# Altium PCB PCB1.PcbDoc (part 1 of 3) (continued)
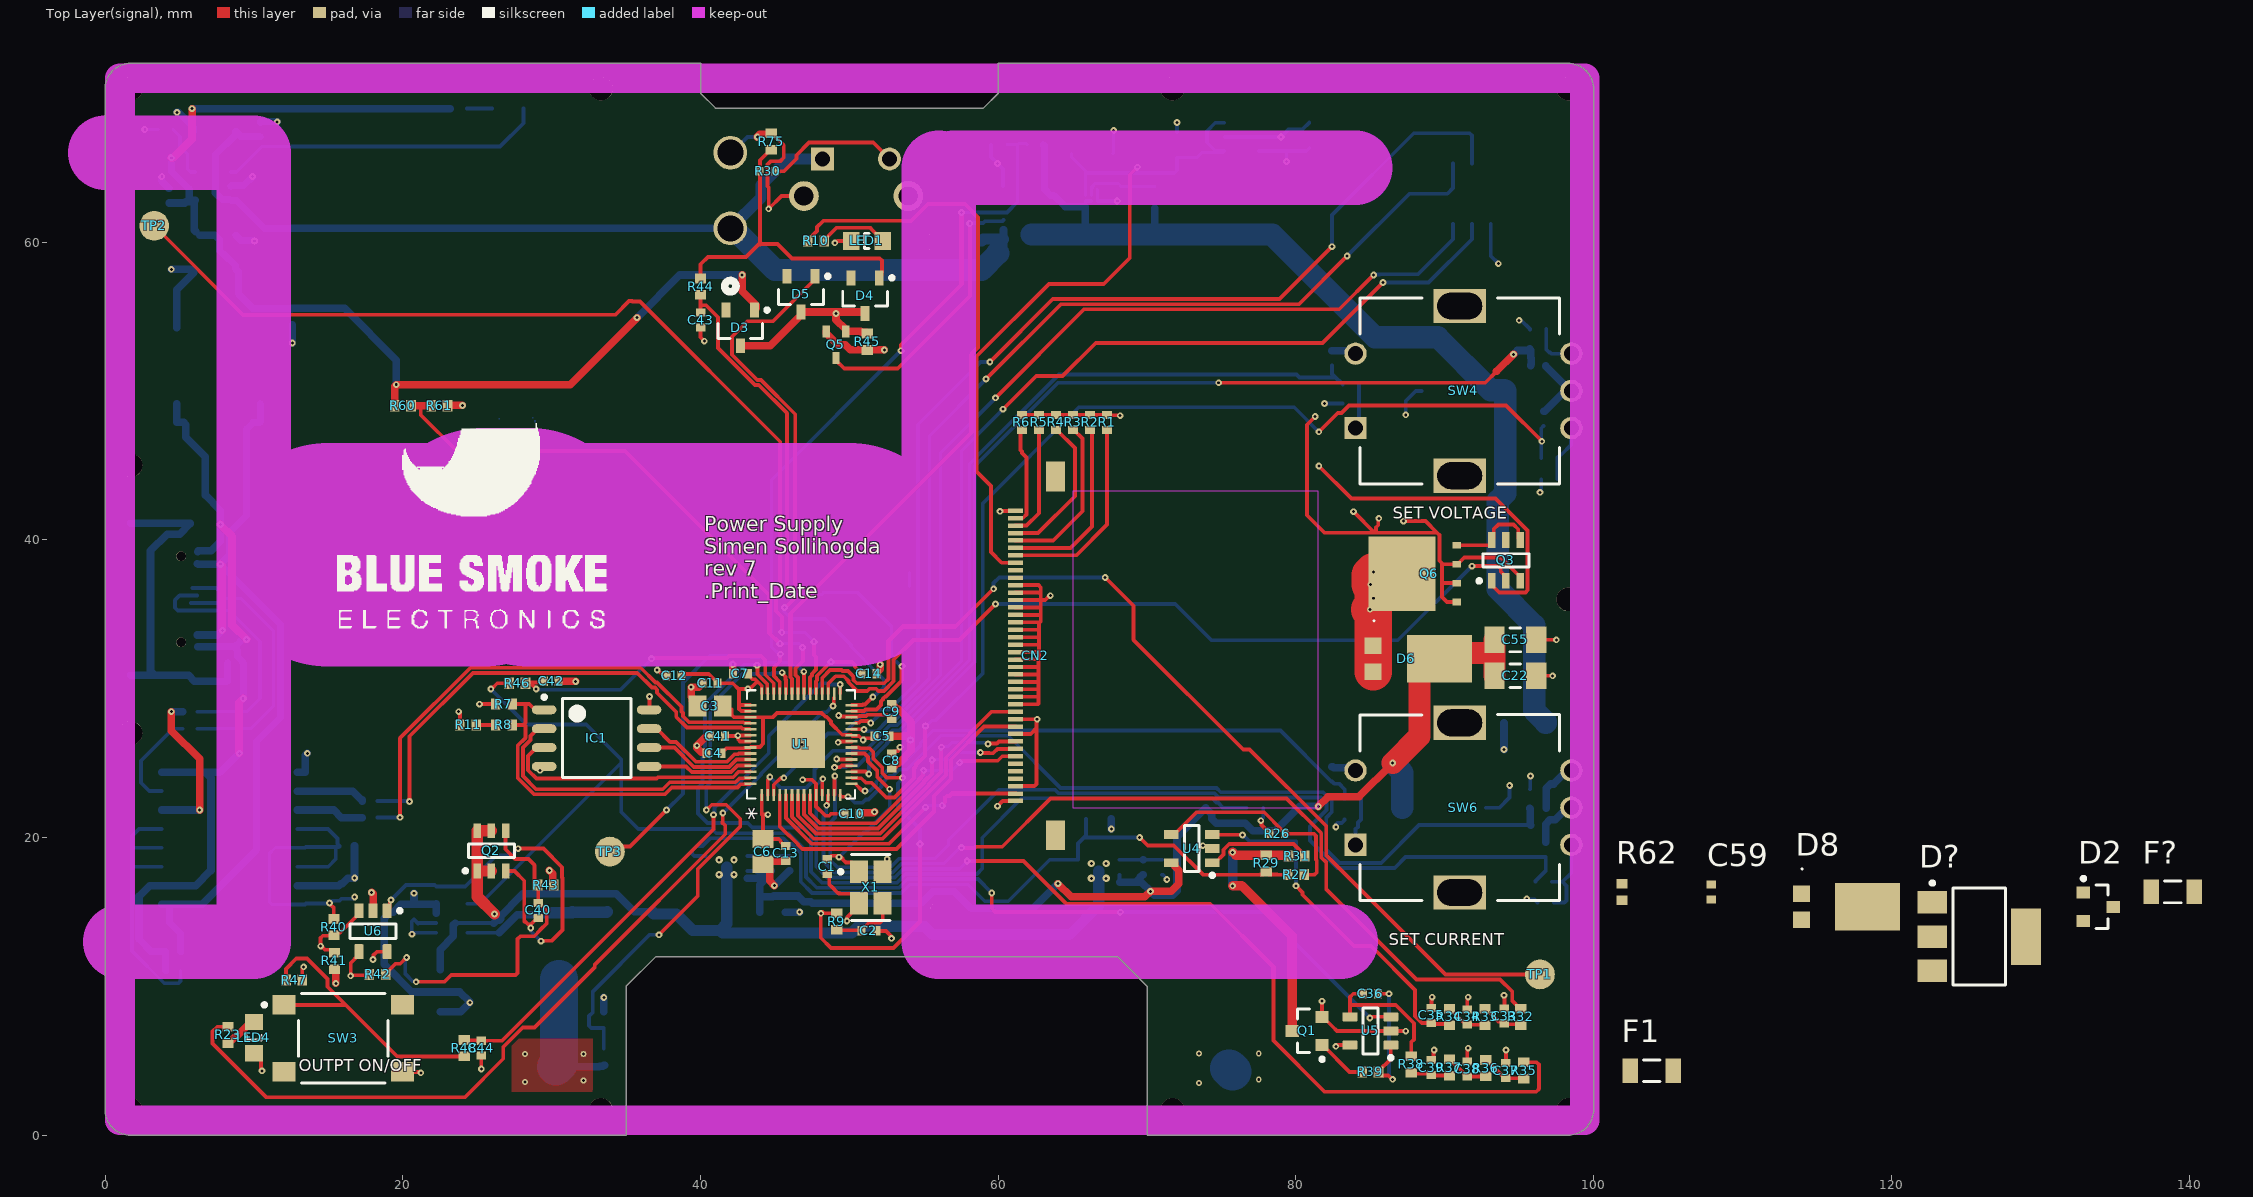
[diagram p0: Top Layer(signal) view]
## Components (designator, comment, footprint, x,y, rotation, side; value= is the part's Value field where it differs from the comment)
C1 "04025A270KAT2A" cap0402 48.514,18.034 r90 top
C2 "04025A270KAT2A" cap0402 51.308,13.716 r180 top
C3 "CL21B105KBFNNNG" CAP0805 40.64,28.829 r0 top
C4 "GRM155R71H104ME14D" cap0402 40.894,25.654 r0 top value=100nF
C5 "GRM155R71H104ME14D" cap0402 52.197,26.797 r180 top value=100nF
C6 "CL21B105KBFNNNG" CAP0805 44.196,19.05 r90 top
C7 "GRM155R71H104ME14D" cap0402 42.672,30.988 r0 top value=100nF
C8 "GRM155R71H104ME14D" cap0402 52.832,25.146 r90 top value=100nF
C9 "GRM155R71H104ME14D" cap0402 52.832,28.448 r270 top value=100nF
C10 "GRM155R71H104ME14D" cap0402 50.165,21.59 r180 top value=100nF
C11 "GRM155R71H104ME14D" cap0402 40.64,30.353 r0 top value=100nF
C12 "GRM155R71H104ME14D" cap0402 38.227,30.861 r0 top value=100nF
C13 "GRM155R71H104ME14D" cap0402 45.72,18.923 r90 top value=100nF
C14 "GRM155R71H104ME14D" cap0402 51.308,30.988 r180 top value=100nF
C15 "CL21B105KBFNNNG" CAP0805 72.009,66.548 r270 bottom
C16 "CL21B105KBFNNNG" CAP0805 80.899,67.183 r270 bottom
C17 "GRM155R71H104ME14D" cap0402 96.774,19.177 r270 bottom value=100nF
C18 "GRM155R71H104ME14D" cap0402 96.266,20.828 r180 bottom value=100nF
C19 "865080545012" CAPAE7966X77N 91.25,50 r180 bottom
C20 "865080545012" CAPAE7966X77N 89.95,22 r0 bottom
C21 "CL31A106MBHNNNE" Chip2PinSM127P600-8N#1 95.377,27.686 r0 bottom
C22 "CL31A106MBHNNNE" Chip2PinSM127P600-8N#1 94.742,30.861 r180 top
C23 "GRM155R71H104ME14D" cap0402 8.75,31.75 r180 bottom value=100nF
C24 "GRM155R71H104ME14D" cap0402 4.572,12.319 r0 bottom value=100nF
C25 "GRM155R71H104ME14D" cap0402 4.572,11.049 r180 bottom value=100nF
C26 "GRM155R71H104ME14D" cap0402 16.256,19.431 r0 bottom value=100nF
C27 "GRM155R71H104ME14D" cap0402 15.875,16.383 r90 bottom value=100nF
C28 "GRM155R71H104ME14D" cap0402 96.647,48.133 r270 bottom value=100nF
C29 "GRM155R71H104ME14D" cap0402 96.266,51.689 r180 bottom value=100nF
C30 "CL21B105KBFNNNG" CAP0805 44.831,14.986 r180 bottom
C31 "CL31A106MBHNNNE" Chip2PinSM127P600-8N#1 22.5,9.7 r90 bottom
C32 "CL21B105KBFNNNG" CAP0805 66.75,21.25 r180 bottom
C33 "GRM155R71H104ME14D" cap0402 94,8 r270 top value=100nF
C34 "GRM155R71H104ME14D" cap0402 91.504,7.941 r270 top value=100nF
C35 "GRM155R71H104ME14D" cap0402 89.104,8.041 r270 top value=100nF
C36 "GRM155R71H104ME14D" cap0402 85,9.5 r180 top value=100nF
C37 "GRM155R71H104ME14D" cap0402 94.104,4.341 r270 top value=100nF
C38 "GRM155R71H104ME14D" cap0402 91.504,4.441 r270 top value=100nF
C39 "GRM155R71H104ME14D" cap0402 89.104,4.541 r270 top value=100nF
C40 "GRM155R71H104ME14D" cap0402 29.1,15.1 r270 top value=100nF
C41 "GRM155R71H104ME14D" cap0402 41.148,26.797 r0 top value=100nF
C42 "GRM155R71H104ME14D" cap0402 29.972,30.48 r180 top value=100nF
C43 "GRM155R71H104ME14D" cap0402 40,54.75 r90 top value=100nF
C44 "GRM155R71H104ME14D" cap0402 25.273,5.842 r90 top value=100nF
C45 "GRM155R71H104ME14D" cap0402 82.423,24.257 r270 bottom value=100nF
C46 "GRM155R71H104ME14D" cap0402 82.423,52.197 r270 bottom value=100nF
C47 "CL31A106MBHNNNE" Chip2PinSM127P600-8N#1 66.311,65.931 r180 bottom
C48 "GRM155R71H104ME14D" cap0402 20.75,15 r270 bottom value=100nF
C49 "CL31A106MBHNNNE" Chip2PinSM127P600-8N#1 7.366,60.452 r180 bottom
C50 "GRM155R71H104ME14D" cap0402 4.318,63.119 r270 bottom value=100nF
C51 "CL31A106MBHNNNE" Chip2PinSM127P600-8N#1 8.128,45.339 r0 bottom
C52 "CL31A106MBHNNNE" Chip2PinSM127P600-8N#1 7.366,58.166 r0 bottom
C53 "CL31A106MBHNNNE" Chip2PinSM127P600-8N#1 7.366,67.437 r0 bottom
C54 "GRM155R71H104ME14D" cap0402 10.414,67.564 r270 bottom value=100nF
C55 "CL31A106MBHNNNE" Chip2PinSM127P600-8N#1 94.742,33.274 r180 top
C56 "CL31A106MBHNNNE" Chip2PinSM127P600-8N#1 61.722,63.754 r0 bottom
C57 "GRM155R71H104ME14D" cap0402 46,18.25 r90 bottom value=100nF
C58 "GRM155R71H104ME14D" cap0402 71,18 r90 bottom value=100nF
C59 "GRM155R71H104ME14D" cap0402 107.901,16.338 r90 top value=100nF
CN2 "505110-4091" 505110-4091-Footprint-1 62.5,32.2 r90 top locked
D1 "MBR12100LPS-TP" DFN445P552X120-3N 30.5,12 r270 bottom
D2 "BZX84C18LT3G" ONSC-SOT-23-3-318-08_V 133.901,15.338 r0 top
D3 "BAS70_R1_00001" SOT95P245X110-3N 42.672,54.229 r270 top
D4 "BAS70_R1_00001" SOT95P245X110-3N 51.054,56.388 r270 top
D5 "BAS70_R1_00001" SOT95P245X110-3N 46.75,56.5 r270 top
D6 "MBR12100LPS-TP" DFN445P552X120-3N 88.138,32.004 r0 top
D8 "MBR12100LPS-TP" DFN445P552X120-3N 116.901,15.338 r0 top
D? "NYC228STT1G" ONSC-SOT-223-4-318E-04_V 125.901,13.338 r0 top
F1 "0685H9100-01" RESC3216X06N 103.901,4.338 r0 top
F? "0685H9100-01" RESC3216X06N 138.902,16.338 r0 top
IC1 "W25Q128JVSIM" SOIC127P780X195-8N 33.02,26.67 r0 top
IC2 "FAN48610UC50X" BGA9C40P3X3_211X211X58 66.25,63.15 r270 bottom
J1 "USB4110-GF-A" FP-USB4110-GF-A-MFG 2.5,36 r90 bottom locked
J2 "1744048-2" "New footprint 1"#1 42,63.46 r90 bottom locked
J3 "pad_3mmx5mm" pad_3mmx5mm-Footprint-1#1 30,4.5 r90 bottom
J4 "pad_3mmx5mm" pad_3mmx5mm-Footprint-1#2 75.5,5.1 r90 bottom
J5 "3221-10-0300-00" "New footprint 1"#2 90.551,63.502 r180 bottom
L1 "LQM21PNR47MC0D" FP-LQM21PN_C0-IPC_C 70.5,63 r270 bottom
L2 "7443551730" INDP130128X65N 89.25,36 r180 bottom locked
LED1 "150080BS75000" 0805_A 51.181,60.071 r0 top
LED4 "150080BS75000" 0805_A 10,6.55 r90 top locked
LED5 "150080BS75000" 0805_A 27.051,68.961 r180 bottom
Q1 "MMBT3904-TP" ONSC-SOT-23-3-318-08_V 80.75,7 r180 top
Q2 "PMN55ENEX" TSOP95P280X110-6N_PMN55ENE 25.95,19.1 r90 top
Q3 "ZXGD3009E6TA" SOT95P285X110-6N 94.107,38.608 r90 top
Q4 "RQ3C150BCTB" RQ3C150BCTB-Footprint-1 62,60.5 r90 bottom
Q5 "SSM3K7002CFU,LF" SSM3K7002CFU,LF-Footprint-1 49.1,53.1 r180 top
Q6 "TPH3R704PC,LQ" TPH3R704PC,LQ-Footprint-1 89.372,37.719 r90 top
R1 "RC0402FR-07100RL" RESC0402(1005)_N 67.31,47.879 r90 top
R2 "RC0402FR-07100RL" RESC0402(1005)_N 66.167,47.879 r90 top
R3 "RC0402FR-07100RL" RESC0402(1005)_N 65.024,47.879 r90 top
R4 "RC0402FR-07100RL" RESC0402(1005)_N 63.881,47.879 r90 top
R5 "RC0402FR-07100RL" RESC0402(1005)_N 62.738,47.879 r90 top
R6 "RC0402FR-07100RL" RESC0402(1005)_N 61.595,47.879 r90 top
R7 "RC0402FR-0710KL" SMD_0402(1005)_M 26.797,28.956 r180 top value=10k
R8 "RC0402FR-071KL" SMD_0402(1005)_M 26.797,27.559 r180 top value=1k
R9 "RC0402FR-071KL" SMD_0402(1005)_M 49.149,14.351 r270 top value=1k
R10 "RC0402FR-071KL" SMD_0402(1005)_M 47.752,60.071 r180 top value=1k
R11 "RC0402FR-070RL" SMD_0402(1005)_M 24.384,27.559 r0 top value=0
R12 "RC0402FR-07100KL" SMD_0402(1005)_M 8.75,30.5 r180 bottom value=100k
R13 "RC0402FR-0724RL" RESC0402(1005)_N 5.715,27.305 r180 bottom
R14 "RC0402FR-0724RL" RESC0402(1005)_N 17.786,22.448 r0 bottom
R15 "RC0402FR-0724RL" RESC0402(1005)_N 5.715,28.448 r180 bottom
R16 "RC0402FR-0724RL" RESC0402(1005)_N 17.78,21.336 r0 bottom
R17 "RC0402FR-0710KL" SMD_0402(1005)_M 96.774,15.621 r180 bottom value=10k
R18 "RC0402FR-071KL" SMD_0402(1005)_M 96.647,17.018 r0 bottom value=1k
R19 "RC0402FR-0710KL" SMD_0402(1005)_M 97.028,44.069 r180 bottom value=10k
R20 "RC0402FR-071KL" SMD_0402(1005)_M 97.028,45.466 r0 bottom value=1k
R21 "RC0402FR-0710KL" SMD_0402(1005)_M 96.266,54.102 r180 bottom value=10k
R22 "RC0402FR-071KL" SMD_0402(1005)_M 96.266,52.832 r0 bottom value=1k
R23 "RC0402FR-071KL" SMD_0402(1005)_M 8.255,6.731 r90 top value=1k
R24 "RC0402FR-0710KL" SMD_0402(1005)_M 33.5,5.25 r270 bottom value=10k
R25 "RC0402FR-071KL" SMD_0402(1005)_M 33.5,7.75 r270 bottom value=1k
R26 "RC0402FR-072K7L" RESC1005X40X25NL05T10 78.75,20.25 r0 top value=2.2k
R27 "RC0402FR-0710KL" SMD_0402(1005)_M 80,17.5 r180 top value=10k
R28 "RC0402FR-072K7L" RESC1005X40X25NL05T10 4.064,67.564 r0 bottom value=2.2k
R29 "RC0402FR-071KL" SMD_0402(1005)_M 78,18.25 r270 top value=1k
R30 "RC0402FR-072K7L" RESC1005X40X25NL05T10 44.5,64.75 r180 top value=2.2k
R31 "RC0402FR-071KL" SMD_0402(1005)_M 80.05,18.75 r0 top value=1k
R32 "RC0402FR-07820KL" SMD_0402(1005)_M 95.104,7.941 r270 top value=10k
R33 "RC0402FR-07820KL" SMD_0402(1005)_M 92.704,7.941 r270 top value=10k
R34 "RC0402FR-07820KL" SMD_0402(1005)_M 90.304,7.941 r270 top value=10k
R35 "RC0402FR-07820KL" SMD_0402(1005)_M 95.304,4.341 r270 top value=10k
R36 "RC0402FR-07820KL" SMD_0402(1005)_M 92.75,4.5 r270 top value=10k
R37 "RC0402FR-07820KL" SMD_0402(1005)_M 90.304,4.541 r270 top value=10k
R38 "RC0402FR-0710KL" SMD_0402(1005)_M 87.75,4.75 r90 top value=10k
R39 "RC0402FR-071KL" SMD_0402(1005)_M 85,4.25 r0 top value=1k
R40 "RC0402FR-07100KL" SMD_0402(1005)_M 15.367,13.97 r90 top value=100k
R41 "RC0402FR-071KL" SMD_0402(1005)_M 15.4,11.7 r90 top value=1k
R42 "RC0402FR-071KL" SMD_0402(1005)_M 18.3,10.8 r180 top value=1k
R43 "RC0402FR-0710RL" SMD_0402(1005)_M 29.6,16.8 r180 top value=10
R44 "RC0402FR-07100KL" SMD_0402(1005)_M 40,57 r90 top value=100k
R45 "RC0402FR-07100KL" SMD_0402(1005)_M 51.2,53.3 r270 top value=100k
R46 "RC0402FR-0710KL" SMD_0402(1005)_M 27.686,30.353 r180 top value=10k
R47 "RC0402FR-0710KL" SMD_0402(1005)_M 12.7,10.414 r0 top value=10k
R48 "RC0402FR-0710KL" SMD_0402(1005)_M 24.13,5.842 r90 top value=10k
R49 "RC0402FR-0710KL" SMD_0402(1005)_M 83.82,21.209 r180 bottom value=10k
R50 "RC0402FR-0710KL" SMD_0402(1005)_M 83.82,22.606 r180 bottom value=10k
R51 "RC0402FR-0710KL" SMD_0402(1005)_M 83.693,49.149 r180 bottom value=10k
R52 "RC0402FR-0710KL" SMD_0402(1005)_M 83.693,50.419 r180 bottom value=10k
R53 "RC0402FR-0724RL" RESC0402(1005)_N 44.75,18.25 r90 bottom
R54 "ERJ-8BSFR10V" Chip2PinSM127P600-8N#2 35.25,15 r180 bottom value=0.1
R55 "RC0402FR-07249RL" SMD_0402(1005)_M 12.573,54.991 r90 bottom
R56 "RC0402FR-071KL" SMD_0402(1005)_M 23.749,68.961 r180 bottom value=1k
R57 "RC0402FR-0724RL" RESC0402(1005)_N 69.75,18 r90 bottom
R58 "RC0402FR-0710KL" SMD_0402(1005)_M 96.266,23.241 r180 bottom value=10k
R59 "RC0402FR-071KL" SMD_0402(1005)_M 96.266,21.971 r0 bottom value=1k
R60 "RC0402FR-0710KL" SMD_0402(1005)_M 20,49 r180 top value=10k
R61 "RC0402FR-0710KL" SMD_0402(1005)_M 22.45,49 r180 top value=10k
R62 "RC0402FR-071KL" SMD_0402(1005)_M 101.901,16.338 r90 top value=1k
R63 "RC0402FR-0710KL" SMD_0402(1005)_M 62.484,66.548 r0 bottom value=10k
R64 "RC0402FR-07100KL" SMD_0402(1005)_M 74.5,22 r180 bottom value=100k
R65 "RC0402FR-0710KL" SMD_0402(1005)_M 77.25,22 r180 bottom value=10k
R70 "RC0402FR-0710KL" SMD_0402(1005)_M 60.071,66.548 r0 bottom value=10k
R72 "RC0402FR-0710KL" SMD_0402(1005)_M 59,60.75 r90 bottom value=10k
R75 "RC0402FR-0710KL" SMD_0402(1005)_M 44.75,66.75 r270 top value=10k
SW3 "PTS645SM43SMTR92LFS" CKCP-PTS645S_V 16,6.5 r0 top locked
SW4 "PEC11R-4215F-S0024" BOUR-PEC11R-4XXXF-SXXXX_V 91,50 r90 top locked
SW5 "1825027-8" FP-1825027-8-MFG 50.45,66.5 r0 bottom locked
SW6 "PEC11R-4215F-S0024" BOUR-PEC11R-4XXXF-SXXXX_V 91,22 r90 top locked
TP1 "testpoit" testpoit-Footprint-1 96.393,10.795 r0 top
TP2 "testpoit" testpoit-Footprint-1 3.302,61.087 r0 top
TP3 "testpoit" testpoit-Footprint-1 33.909,19.05 r0 top
U1 "rp2040" rp2040-Footprint-1 46.75,26.25 r90 top
U2 "ADUM4160BRIZ-RL" ADI-RI-16-1_N 8.36,19.939 r0 bottom
U3 "LT3080EDD-1#TRPBF" LT-DD-8_V 66.75,17.75 r0 bottom
U4 "TSB711AIYLT" DBV0005A_N 73,19.25 r180 top
U5 "TSB711AIYLT" DBV0005A_N 85,7 r180 top
U6 "TSB711AIYLT" DBV0005A_N 18,13.7 r270 top
U7 "LT3080EDD-1#TRPBF" LT-DD-8_V 41.75,18 r0 bottom
U9 "INA186A1IDDFR" FP-DDF0008A-IPC_C 23.301,14.575 r0 bottom
U10 "B0505MT-1WR4" FP-B0505MT-1WR4-MFG 7.62,51.689 r90 bottom
U11 "MCP73832T-2ACI/OT" SOT-23-OT5_M 7.239,63.754 r180 bottom
U12 "TLV74333PDBVR" FP-DBV0005A-IPC_A 76.327,67.056 r0 bottom
X1 "FL1200112" FP-FL1200112-MFG 51.435,16.637 r270 top

## Footprints (in the part's own frame and the unit in brackets; to place one, negate y for a bottom-side part, rotate by r counter-clockwise, add the part's x,y. Pads: shape width x height; smd on the part's side, far side on the other; paste and mask are expansions set on the pad)
0805_A [mm] "Chip LED, 2-Leads, Body 2.0x1.3mm, IPC Medium Density"
  rect 1.1x1.2 smd: 1(-1.05,0) 2(1.05,0)
  silkscreen extent -0.15,-0.5 0.15,0.5, body extent -1,-0.63 1,0.63, height 0.68
505110-4091-Footprint-1 [mm]
  rect 0.3x1 smd: 1(-9.75,1.35) 2(-9.25,1.35) 3(-8.75,1.35) 4(-8.25,1.35) 5(-7.75,1.35) 6(-7.25,1.35) 7(-6.75,1.35) 8(-6.25,1.35) 9(-5.75,1.35) 10(-5.25,1.35) 11(-4.75,1.35) 12(-4.25,1.35) 13(-3.75,1.35) 14(-3.25,1.35) 15(-2.75,1.35) 16(-2.25,1.35) 17(-1.75,1.35) 18(-1.25,1.35) 19(-0.75,1.35) 20(-0.25,1.35) 21(0.25,1.35) 22(0.75,1.35) 23(1.25,1.35) 24(1.75,1.35) 25(2.25,1.35) 26(2.75,1.35) 27(3.25,1.35) 28(3.75,1.35) 29(4.25,1.35) 30(4.75,1.35) 31(5.25,1.35) 32(5.75,1.35) 33(6.25,1.35) 34(6.75,1.35) 35(7.25,1.35) 36(7.75,1.35) 37(8.25,1.35) 38(8.75,1.35) 39(9.25,1.35) 40(9.75,1.35)
  rect 2x1.3 smd: 41(-12.05,-1.35) 42(12.05,-1.35)
  body extent -12.72,-3.7 12.78,1.6, height 1.88
ADI-RI-16-1_N [mm] "SOIC, 16-Leads, Body 12.8x7.5mm, Pitch 1.27mm, IPC Medium Density"
  oval 2.3x0.6 smd: 1(-4.55,4.445) 2(-4.55,3.175) 3(-4.55,1.905) 4(-4.55,0.635) 5(-4.55,-0.635) 6(-4.55,-1.905) 7(-4.55,-3.175) 8(-4.55,-4.445) 9(4.55,-4.445) 10(4.55,-3.175) 11(4.55,-1.905) 12(4.55,-0.635) 13(4.55,0.635) 14(4.55,1.905) 15(4.55,3.175) 16(4.55,4.445)
  silkscreen extent -4.67,-6.5 3,6.5, body extent -3.8,-6.5 3.8,6.5, height 2.65
BGA9C40P3X3_211X211X58 [mm] "BGA, 9-Leads, Body 2.11x2.11mmx0.58mm, Pitch 0.40mm"
  round 0.21 smd: A1(-0.4,0.4) A2(0,0.4) A3(0.4,0.4) B1(-0.4,0) B2(0,0) B3(0.4,0) C1(-0.4,-0.4) C2(0,-0.4) C3(0.4,-0.4)
  silkscreen extent -1.45,-1.05 1.05,1.19, body extent -1.05,-1.06 1.06,1.05, height 0.59
BOUR-PEC11R-4XXXF-SXXXX_V [mm] "THD, 5-Leads, Body 12.5x13.4mm"
  rect 1.5x1.5 hole 1: 1(-2.5,7)
  round 1.5 hole 1: 2(2.5,7) 3(2.5,-7.5) 4(0,-7.5) 5(-2.5,-7.5)
  rect 2.3x3.5 hole 1.8 slot 3 at 90 deg: 6(-5.7,0) 7(5.7,0)
  silkscreen extent -6.25,-6.7 6.25,6.7, body extent -7,-7.7 7,7.2, height 21.61
cap0402 [mm] "0402 footprint for capasitors"
  rect 0.54x0.64 smd: 1(-0.5,0) 2(0.5,0)
  body extent -0.5,-0.25 0.5,0.25, height 0.5
CAP0805 [mm] "0804 smd capasitor"
  rect 1.2x1.4 smd: 1(-0.85,0) 2(0.85,0)
  body extent -1.05,-0.63 1.05,0.63, height 1.35
CAPAE7966X77N [mm] "Aluminum Electrolytic Capacitor, Body 6.60x6.60x7.70mm, IPC Medium Density"
  rect 3.45x1.6 smd: 1(-2.8,0) 2(2.8,0)
  silkscreen extent -3.3,-3.3 3.3,3.3, body extent -3.3,-3.3 3.3,3.3, height 7.7
Chip2PinSM127P600-8N#1 [mm] "1206 ceramic capasitor"
  rect 1.35x1.8 smd: 1(-1.4,0) 2(1.4,0)
  silkscreen extent -0.35,-0.8 0.35,0.8, body extent -1.7,-0.87 1.7,0.87, height 1.6
Chip2PinSM127P600-8N#2 [mm]
  rect 0.9x1.65 smd: 1(-1.525,0) 2(1.525,0)
  silkscreen extent -0.7,-0.73 0.7,0.72, body extent -1.6,-0.8 1.6,0.8, height 0.5
CKCP-PTS645S_V [mm] "THD, 4-Leads, Body 6x6mm, Pitch 4.5mm"
  rect 1.55x1.3 smd: 1(-3.975,2.25) 2(3.975,2.25) 3(-3.975,-2.25) 4(3.975,-2.25)
  silkscreen extent -5.42,-3 3,3, body extent -4.5,-3 4.5,3, height 4.3
DBV0005A_N [mm] "SOT23, 5-Leads, Body 3.05x1.75mm, Pitch 0.95mm, IPC Medium Density"
  rrect17% 1x0.6 smd: 1(-1.375,0.95) 2(-1.375,0) 3(-1.375,-0.95) 4(1.375,-0.95) 5(1.375,0.95)
  silkscreen extent -1.5,-1.55 0.5,1.92, body extent -1.42,-1.46 1.42,1.46, height 1.08
DFN445P552X120-3N [mm] "DFN, 3-Leads, Body 4.03x5.53mm, Pitch 4.45mm, IPC Medium Density"
  rect 4.35x3.2 smd: 1(1.5,0)
  rect 1.15x1.1 smd: 2(-2.95,-0.875) 2(-2.95,0.875)
  silkscreen extent -2.95,2.5 -2.85,2.6, body extent -3.35,-2.25 3.3,2.5, height 1.2
FP-1825027-8-MFG [mm]
  rect 1.54x1.54 hole 0.99 paste-1000 mask+0: 1(-2.25,0.92)
  round 1.54 hole 0.99 paste-1000 mask+0: 2(2.25,0.92)
  round 2 hole 1.3 paste-1000 mask+0: 3(-3.505,3.41) 4(3.505,3.41)
  silkscreen extent -5.03,-1.38 3.7,5.23, body extent -4.21,-4.92 4.2,4.92, height 7.31
FP-B0505MT-1WR4-MFG [mm]
  rect 0.8x1.7 smd paste+0 mask+0: 1(-3.81,-2.8) 2(-2.54,-2.8) 6(2.54,-2.8) 7(3.81,-2.8) 8(3.81,2.8) 13(-2.54,2.8) 14(-3.81,2.8)
  silkscreen extent -4.65,-4.32 4.65,3.65, body extent -4.65,-3.65 4.65,3.65, height 3.4
FP-DBV0005A-IPC_A [mm]
  rect 1.805x0.612 smd paste+0 mask+0: 1(-1.15,0.95)
  rrect100% 1.805x0.612 smd paste+0 mask+0: 2(-1.15,0) 3(-1.15,-0.95) 4(1.15,-0.95) 5(1.15,0.95)
  silkscreen extent -3.03,-1.7 1.4,1.7, body extent -1.4,-1.45 1.4,1.45, height 1.45
FP-DDF0008A-IPC_C [mm]
  rect 1.157x0.375 smd paste+0 mask+0: 1(-1.051,0.975)
  rrect100% 1.157x0.375 smd paste+0 mask+0: 2(-1.051,0.325) 3(-1.051,-0.325) 4(-1.051,-0.975) 5(1.051,-0.975) 6(1.051,-0.325) 7(1.051,0.325) 8(1.051,0.975)
  silkscreen extent -2.33,-1.45 0.03,1.45, body extent -1.41,-1.45 1.41,1.45, height 1.1
FP-FL1200112-MFG [mm]
  rect 1.5x1.2 smd paste+0 mask+0: 1(-1.05,-0.8) 2(1.05,-0.8) 3(1.05,0.8) 4(-1.05,0.8)
  silkscreen extent -2.22,-2.15 2.22,1.3, body extent -1.9,-1.5 1.9,1.5, height 0.25
FP-LQM21PN_C0-IPC_C [mm]
  rect 1.055x1.356 smd paste+0 mask+0: 1(-0.726,0) 2(0.726,0)
  silkscreen extent -1.25,-1.12 1.25,1.12, body extent -1,-0.63 1,0.63, height 0.55
FP-USB4110-GF-A-MFG [mm]
  rect 2.18x2 smd paste+0 mask+0: 1(-5.11,3.105) 2(5.11,3.105) 3(-5.11,-0.825) 4(5.11,-0.825)
  round 0.65 hole 0.65 unplated paste-1000 mask+0: 5(-2.89,2.605) 6(2.89,2.605)
  rrect50% 0.6x1.1 smd paste+0 mask+0: A1-B12(-3.2,3.73) B1-A12(3.2,3.73)
  rrect50% 0.6x1.15 smd paste+0 mask+0: A4-B9(-2.4,3.7) B4-A9(2.4,3.7)
  rect 0.3x1.15 smd paste+0 mask+0: A5(-1.25,3.68) A6(-0.25,3.68) A7(0.25,3.68) A8(1.25,3.68) B5(1.75,3.68) B6(0.75,3.68) B7(-0.75,3.68) B8(-1.75,3.68)
  silkscreen extent -4.57,-3.83 4.57,4.99, body extent -5.65,-3.67 5.65,4.01, height 3.21
INDP130128X65N [mm] "Precision Wire Wound Inductor, 2-Leads, Body 13.00x12.75mm, IPC Medium Density"
  rect 4.5x5 smd: 1(-5.25,0) 2(5.25,0)
  silkscreen extent -7,-6.6 7,6.6, body extent -6.6,-6.38 6.6,6.38, height 6.6
LT-DD-8_V [mm] "SON, 8-Leads, Body 3x3mm, Pitch 0.5mm, Thermal Pad 1.65x2.38 mm, IPC Low Density"
  rect 0.7x0.25 smd mask+0.102: 1(-1.4,0.75) 2(-1.4,0.25) 3(-1.4,-0.25) 4(-1.4,-0.75) 5(1.4,-0.75) 6(1.4,-0.25) 7(1.4,0.25) 8(1.4,0.75)
  rect 1.65x2.38 smd mask+0.102: 9(0,0)
  silkscreen extent -2,-1.55 1.55,1.6, body extent -1.5,-1.5 1.5,1.5, height 0.8
"New footprint 1"#1 [mil]
  round 89 hole 69 mask+0: 1(-100,0) 2(100,0)
  silkscreen extent -268,-501 183,15, body extent -178,-1130 178,26, height 421
"New footprint 1"#2 [mil]
  rect 29.13x110.04 smd paste+0 mask+0: 1(-100,-90.06) 2(-100,69.98) 3(-50,-90.06) 4(-50,69.98) 5(0,-90.06) 6(0,69.98) 7(50,-90.06) 8(50,69.98) 9(100,-90.06) 10(100,69.98)
  silkscreen extent -253,-176 253,113, body extent -250,-130 250,110, height 220
ONSC-SOT-23-3-318-08_V [mm] "SOT23, 3-Leads, Body 2.92x1.3mm, Pitch 0.95mm"
  rect 0.9x0.8 smd: 1(-1,0.95) 2(-1,-0.95) 3(1,0)
  silkscreen extent -1.12,-1.46 0.65,2.02, body extent -0.65,-1.46 0.65,1.46, height 1.11
ONSC-SOT-223-4-318E-04_V [mm] "SOT223, 4-Leads, Body 6.5x3.5mm, Pitch 2.3mm"
  rect 2x1.5 smd: 1(-3.15,2.3) 2(-3.15,0) 3(-3.15,-2.3)
  rect 2x3.8 smd: 4(3.15,0)
  silkscreen extent -3.27,-3.25 1.75,3.72, body extent -1.75,-3.25 1.75,3.25, height 1.75
pad_3mmx5mm-Footprint-1#1 [mm]
  rect 3x5 smd: 1(0.1,0)
pad_3mmx5mm-Footprint-1#2 [mm]
  rect 3x5 smd: 1(-0.6,0)
RESC0402(1005)_N [mm] "Chip Resistor, Body 1.0x0.5mm, IPC Medium Density"
  rect 0.55x0.65 smd: 1(-0.5,0) 2(0.5,0)
  body extent -0.52,-0.27 0.53,0.28, height 0.4
RESC1005X40X25NL05T10 [mm] "Chip Resistor, 2-Leads, Body 1.00x0.50mm, IPC Medium Density"
  rect 0.5x0.55 smd: 1(-0.508,0) 2(0.508,0)
  body extent -0.53,-0.27 0.53,0.28, height 0.4
RESC3216X06N [mm] "Chip Resistor, 2-Leads, Body 3.20x1.58mm, IPC Medium Density"
  rect 1.05x1.65 smd: 1(-1.45,0) 2(1.45,0)
  silkscreen extent -0.55,-0.72 0.55,0.72, body extent -1.6,-0.79 1.6,0.79, height 0.64
rp2040-Footprint-1 [mil]
  rect 32x7 smd paste+0 mask+0: 1(-134,104) 2(-134,88) 3(-134,72) 4(-134,56) 5(-134,40) 6(-134,24) 7(-134,8) 8(-134,-8) 9(-134,-24) 10(-134,-40) 11(-134,-56) 12(-134,-72) 13(-134,-88) 14(-134,-104) 29(134,-104) 30(134,-88) 31(134,-72) 32(134,-56) 33(134,-40) 34(134,-24) 35(134,-8) 36(134,8) 37(134,24) 38(134,40) 39(134,56) 40(134,72) 41(134,88) 42(134,104)
  rect 7x32 smd paste+0 mask+0: 15(-104,-134) 16(-88,-134) 17(-72,-134) 18(-56,-134) 19(-40,-134) 20(-24,-134) 21(-8,-134) 22(8,-134) 23(24,-134) 24(40,-134) 25(56,-134) 26(72,-134) 27(88,-134) 28(104,-134) 43(104,134) 44(88,134) 45(72,134) 46(56,134) 47(40,134) 48(24,134) 49(8,134) 50(-8,134) 51(-24,134) 52(-40,134) 53(-56,134) 54(-72,134) 55(-88,134) 56(-104,134)
  rect 126x126 smd paste-62.5 mask+0: 57(0,0)
  silkscreen extent -143,-143 143,143, body extent -138,-136 138,139, height 35
RQ3C150BCTB-Footprint-1 [mm]
  rect 0.47x0.5 smd: 1(0.975,-1.648) 3(-0.975,-1.648) 3(-0.325,-1.648) 3(0.325,-1.648)
  rect 2.7x2.4 smd: 4(0,0.25)
  body extent -1.65,-1.95 1.65,1.45, height 0.89
SMD_0402(1005)_M [mm] "Chip Resistor, Body 1.0x0.5mm, IPC Low Density"
  rect 0.65x0.75 smd: 1(-0.55,0) 2(0.55,0)
  body extent -0.52,-0.28 0.53,0.28, height 0.4
SOIC127P780X195-8N [mm] "SOIC, 8-Leads, Body 5.26x5.28mm, Pitch 1.27mm, IPC Medium Density"
  oval 1.65x0.6 smd: 1(-3.525,1.905) 2(-3.525,0.635) 3(-3.525,-0.635) 4(-3.525,-1.905) 5(3.525,-1.905) 6(3.525,-0.635) 7(3.525,0.635) 8(3.525,1.905)
  silkscreen extent -3.65,-2.65 2.3,2.88, body extent -2.65,-2.65 2.65,2.65, height 1.95
SOT95P245X110-3N [mm] "SOT23, 3-Leads, Body 2.90x2.45mm, Pitch 0.95mm, IPC Medium Density"
  rect 1x0.6 smd: 1(-1.2,0.95) 2(1.2,0) 3(-1.2,-0.95)
  silkscreen extent -1.32,-1.5 0.7,1.93, body extent -0.7,-1.5 0.7,1.5, height 1.1
SOT95P285X110-6N [mm] "SOT23, 6-Leads, Body 3.00x2.85mm, Pitch 0.95mm, IPC Medium Density"
  rect 1.05x0.5 smd: 1(-1.375,0.95) 2(-1.375,0) 3(-1.375,-0.95) 4(1.375,-0.95) 5(1.375,0) 6(1.375,0.95)
  silkscreen extent -1.5,-1.55 0.45,1.92, body extent -0.85,-1.55 0.85,1.55, height 1.1
SOT-23-OT5_M [mm] "SOT23, 5-Leads, Body 2.9x1.7mm, Pitch 0.95mm, Lead Span 2.8mm, IPC Low Density"
  rect 1.3x0.55 smd mask+0.05: 1(-1.2,0.95) 2(-1.2,0) 3(-1.2,-0.95)
  rect 1.3x0.7 smd: 4(1.2,-0.95) 5(1.2,0.95)
  silkscreen extent -1.33,-1.55 0.15,1.97, body extent -0.9,-1.55 0.9,1.55, height 1.45
SSM3K7002CFU,LF-Footprint-1 [mm]
  rect 0.5x0.8 smd: 1(-0.65,-0.9) 2(0.65,-0.9) 3(0,0.9)
  body extent -1,-1.05 1,1.05, height 0.9
testpoit-Footprint-1 [mm]
  round 2 smd: 1(0,0)
TPH3R704PC,LQ-Footprint-1 [mm]
  rect 0.45x0.56 smd: 1(-1.905,-1.425) 1(-0.635,-1.425) 1(0.635,-1.425) 3(1.905,-1.425)
  rect 5x4.5 smd: 2(0,2.25)
  body extent -2.5,-1.64 2.5,4.36, height 0.85
TSOP95P280X110-6N_PMN55ENE [mm] "pin maping matches PMN55ENE- TSOP, 6-Leads, Body 2.90x1.50mm, Pitch 0.95mm, IPC Medium Density"
  rect 1x0.5 smd: 1(1.35,-0.95) 2(-1.35,0) 2(-1.35,0.95) 2(1.35,0) 2(1.35,0.95) 3(-1.35,-0.95)
  silkscreen extent -1.47,-1.55 0.45,1.87, body extent -1.38,-1.55 1.38,1.55, height 1.1

## Part data
C1 C2: library part CMP-0001-00026-3, "0402 27 pF 50 V ±10 % Tolerance C0G/NP0 SMT Multilayer Ceramic Capacitor", Capacitance=27pF, Capacitor Type=Ceramic, Case/Package=0402, LCSC Part#=C2168514, Tolerance=10%, Voltage Rating=50V, Mount="Surface Mount", RoHS=Yes
C3 C6 C15 C16 C30 C32: library part CMP-0001-00012-5, "SAMSUNG ELECTRO-MECHANICS - CL21B105KBFNNNG - MLCC CAPACITORS", Capacitance=1µF, Capacitor Type=Ceramic, Case Code (Imperial)=0805, Case Code (Metric)=2012, Dielectric=X7R, LCSC Part#=-, Max Operating Temperature=125°C, Min Operating Temperature=-55°C, Package Quantity=3000, Tolerance=10%, Voltage=50V, Case/Package=0805, Contact Plating=Tin, Depth=1.25mm, Length=2mm, Material=Ceramic, Mount="Surface Mount", Packaging="Tape and Reel", RoHS=Yes, Termination=Wraparound, Thickness=0.053inch, Voltage Rating=50V, Width=0.049inch
C4 C5 C7 C8 C9 C10 C11 C12 C13 C14 C17 C18 C23 C24 C25 C26 C27 C28 C29 C33 C34 C35 C36 C37 C38 C39 C40 C41 C42 C43 C44 C45 C46 C48 C50 C54 C57 C58 C59: library part CMP-0001-00001-10, "0402 0.1 uF 50 V ±20% Tolerance X7R SMT Monolithic Ceramic Chip Capacitor", Capacitance=100nF, Capacitor Type=Ceramic, Case/Package=0402, LCSC Part#=C182412, Max Operating Temperature=125°C, Min Operating Temperature=-55°C, Tolerance=20%, Voltage Rating=50V, Length=0.039inch, Mount="Surface Mount", Packaging="Cut Tape", Pins=2, RoHS=Yes, Thickness=0.022inch, Width=0.02inch
C19 C20: library part CMP-0001-00027-2, "Cap Aluminum Lytic 100uF 35V 20% (6.3 X 7.7mm) SMD 300mA 2000h 105C T/R", Capacitance=100µF, Capacitor Type=Ceramic, Case/Package=Radial, LCSC Part#=-, Tolerance=20%, Voltage Rating=35V, Mount="Surface Mount", RoHS=Yes
C21 C22 C31 C47 C49 C51 C52 C53 C55 C56: library part CMP-0001-00015-4, "CAP CER 10UF 50V X5R 1206", Capacitance=10µF, Capacitor Type=Ceramic, Case Code (Imperial)=1206, Case Code (Metric)=3216, Dielectric=X5R, LCSC Part#=C96600, Max Operating Temperature=85°C, Min Operating Temperature=-55°C, Tolerance=20%, Voltage Rating=50V, Case/Package=1206, Length=0.126inch, Mount="Surface Mount", Packaging="Tape and Reel", RoHS=Yes, Thickness=0.071inch, Voltage Rating (DC)=50V, Width=0.063inch
CN2: library part CMP-003-0002-6, "MOLEX - 505110-4091 - FFC / FPC Board Connector, 0.5 mm, 40 Contacts, Receptacle, Easy-On 505110 Series, Surface Mount", Current Rating=500mA, Flammability Rating="UL94 V-0", Housing Color=Beige, LCSC Part#=-, Max Operating Temperature=105°C, Min Operating Temperature=-40°C, Voltage Rating=50V, Actuator Material=Nylon,Glass,Polyamide, Contact Material=Bronze, Contact Plating=Gold, Gender=Receptacle, Halogen Free="Low Halogen", Height=1.9mm, Housing Material=Polymer, Mating Cycles=25, Mount="Surface Mount", Number of Circuits=40, Number of Contacts=40, Number of Pins=40, Number of Positions=40, Number of Rows=1, Orientation="Right Angle", Packaging="Tape and Reel", Pitch=0.5mm, REACH SVHC=Unknown, RoHS=Yes, System=Connector, Termination=Solder
D1 D6 D8: library part CMP-ROOT-00021-3, "Diode Schottky 100V 12A TO277B", Average Rectified Current=12A, Case/Package="TO-277, 3-PowerDFN", LCSC Part#=-, Max Reverse Voltage (DC)=100V, Mount="Surface Mount", Packaging="Tape and Reel", RoHS=Yes
D2: library part CMP-ROOT-00049-3, "Diode, Zener, Vr 18V, If 10mA, Pkg SOT-23 (TO-236), Vf 0.9V, Cj 100pF, Tj +150C, Ir 5mA", Case/Package=SOT-23-3, Mount=SMD, RoHS=Yes, Vz=18V
D3 D4 D5: library part CMP-016-0000-3, "Diode Schottky 70 V 200mA Surface Mount SOT-23", Case/Package=SOT-23, Forward Current=200mA, LCSC Part#=-, Max Operating Temperature=150°C, Max Repetitive Reverse Voltage (Vrrm)=70V, Max Reverse Current=1uA, Min Operating Temperature=-55°C, Peak Non-Repetitive Surge Current=600mA, Element Configuration=Single, Mount="Surface Mount", Number of Pins=3, Radiation Hardening=No, RoHS=Yes, RoHS Compliant=Yes
D?: library part CMP-00013-1, "Thyristor SCR 600V 15A 4-Pin(3+Tab) SOT-223 T/R", Case/Package=SOT-223-4, Hold Current=5mA, Max Operating Temperature=110°C, Max Repetitive Reverse Voltage (Vrrm)=600V, Min Operating Temperature=-40°C, Package Quantity=1000, RMS Current (Irms)=1.5A, Halogen Free="Halogen Free", Lead Free="Lead Free", Number of Pins=4, Packaging="Tape and Reel", RoHS Compliant=Yes, Series=-
F1 F?: library part CMP-ROOT-00047-2, "Fuse Chip Fast Acting 10A 125V SMD Solder Pad 1206 3.2 X 1.58 X 0.65mm Ceramic T/R Automotive", Case/Package=1206, Current Rating=10A, Mount="Surface Mount", RoHS=Yes
IC1: library part CMP-006-0008-2, "NOR Flash Serial (SPI, Dual SPI, Quad SPI) 3V/3.3V 128M-bit 16M x 8 6ns 8-Pin SOIC Tube", LCSC Part#=C2613930
IC2: library part CMP-006-0009-3, "2.5 MHz, 1 A, Fixed-Output Synchronous TinyBoost® Regulator", LCSC Part#=C890712, Pin Count=9
J1: library part CMP-ROOT-00018-6, "Conn Usb 2.0 Type-c R/a SMT", LCSC Part#=-, Mount=TH, Number of Positions=12, RoHS=Yes, System=Connector
J2: library part CMP-003-0011-2, "Conn Power HDR 2 POS 5.08mm Solder RA Thru-Hole 2 Terminal 1 Port Bag", Color=Natural, Contact Current Rating=8A, Flammability Rating="UL94 V-0", LCSC Part#=C590637, Max Operating Temperature=105°C, Min Operating Temperature=-25°C, Number of Power Positions=2, Package Quantity=1000, Voltage Rating (AC)=250V, Backwall/Post Interruptions="No (Without)", Circuit Application=Power, Connector System=Wire-to-Board, Connector Type=Tab, Contact Finish - Mating=TIN, Contact Material="Copper Alloy", Contact Mating Length=8.6mm, Contact Plating=Tin, Contact Retention="No (Without)", Contact Shape=Square, Contact Type="Male Pin", ELV=Compliant, Fastening Type=Friction, Height=0.3228inch, Housing Color=Natural, Housing Material=Nylon, Insulation Color=Natural, Insulation Material=Nylon, Lead Free="Not Applicable", Length=7.68mm, Material=Nylon, Mating Alignment="Yes (With)", Mating Retention="Yes (With)", Mount="Through Hole", Number of Contacts=2, Number of Positions=2, Number of Rows=1, Orientation="Right Angle", Packaging=Bag, PCB Mount Alignment="No (Without)", PCB Mount Retention=Without, PCB Mounting Orientation="Right Angle", PCB Thickness=0.063mm, Pitch=5.08mm, Plating Thickness=80um, Radiation Hardening=No, RoHS=Yes, RoHS Compliant=Yes, Sealable="No (Without)", Selectively Loaded="No (Without)", Series="Economy Power", Strain Relief="No (Without)", System=Connector, Termination=Solder, Width=15mm
J3 J4: library part CMP-003-0007-2, "pad for soldering on wires", Mount=smd, Number of Positions=1, RoHS=Yes, System=Connector
J5: library part CMP-003-0010-2, "Conn Shrouded Header HDR 10 POS 1.27mm Solder ST SMD", Flammability Rating="UL94 V-0", LCSC Part#=-, Max Operating Temperature=105°C, Min Operating Temperature=-40°C, Connector Type=Header, Contact Finish - Mating=GOLD, Contact Material=Brass, Contact Plating=Gold, Contact Shape=Square, Contact Type="Male Pin", Fastening Type=Pull, Insulation Material=Nylon, Mount="Surface Mount", Number of Pins=10, Number of Positions=10, Number of Rows=2, Packaging=Tray, Pitch=0.05inch, RoHS=Yes, RoHS Compliant=Yes, Row Spacing=0.05inch, Series=-, System=Connector, Termination=Solder
L1: library part CMP-ROOT-00045-2, "Inductor Power Chip Shielded Multi-Layer 0.47uH 20% 1MHz Ferrite 1.1A 0.15Ohm DCR 0805 T/R", Case/Package=0805, LCSC Part#=C341670, Mount="Surface Mount", RoHS=Yes
L2: library part CMP-ROOT-00003-2, "WURTH ELEKTRONIK         7443551730             Surface Mount Power Inductor, WE-HCI Series, 7.3 H, 13 A, 12 A, Shielded, 5900 ohm", Case/Package=1365, Current Rating=13A, DC Resistance (DCR)=5.9mR, Inductance=7.3uH, Inductance Tolerance=20%, LCSC Part#=C1331154, Max Operating Temperature=155°C, Min Operating Temperature=-40°C, Package Quantity=400, Saturation Current=12A, Self Resonant Frequency=28MHz, Series Resistance=5.9R, Test Frequency=100kHz, Composition=Wirewound, Depth=12.8mm, Height=6.2mm, Height - Seated (Max)=0.256inch, Lead Free="Lead Free", Length=13.2mm, Max DC Current=13A, Mount="Surface Mount", Number of Pins=2, Packaging="Tape and Reel", REACH SVHC=Unknown, RMS Current (Irms)=13A, RoHS=Yes, Shielding=Shielded, Termination=SMD/SMT, Tolerance=20%, Width=12.8mm
LED1 LED4 LED5: library part CMP-00002-2, "SMD LED blue 3.5 V 0805, 150080BS75000, Würth Elektronik", Case Code (Imperial)=0805, Case Code (Metric)=2012, Color=Blue, Forward Current=30mA, Forward Voltage=3.2V, LCSC Part#=-, Max Operating Temperature=85°C, Min Operating Temperature=-40°C, Package Quantity=4000, Test Current=20mA, Case/Package=0805, Dominant Wavelength=470nm, Height=0.7mm, Lead Free="Lead Free", Length=2mm, Lens Style=Clear,Rectangular, Luminous Intensity=145mcd, Mount="Surface Mount", Packaging="Tape and Reel", REACH SVHC=Unknown, RoHS=Yes, Viewing Angle=140°, Wavelength=470nm, Width=1.25mm
Q1: library part CMP-014-0001-2, "TRANS NPN 40V 0.2A SOT23", Case/Package=SOT-23, Collector Base Voltage (VCBO)=60V, Collector Emitter Breakdown Voltage=40V, Collector Emitter Saturation Voltage=300mV, Current Rating=100mA, Emitter Base Voltage (VEBO)=6V, Frequency=300MHz, LCSC Part#=C77991, Max Collector Current=200mA, Max Operating Temperature=150°C, Max Power Dissipation=350mW, Min Operating Temperature=-55°C, Package Quantity=1, Collector Emitter Voltage (VCEO)=40V, Element Configuration=Single, Gain Bandwidth Product=300MHz, Height=1.12mm, hFE Min=40, Lead Free="Lead Free", Length=3.04mm, Max Breakdown Voltage=40V, Max Frequency=300MHz, Mount="Surface Mount", Number of Elements=1, Number of Pins=3, Packaging="Tape and Reel", Polarity=NPN, Power Dissipation=350mW, Radiation Hardening=No, RoHS=Yes, Transition Frequency=300MHz, Voltage Rating (DC)=40V, Width=1.4mm
Q2: library part CMP-ROOT-00001-5, "MOSFET N-CH 60V 4.5A 6TSOP", Case/Package=TSOP, Continuous Drain Current (ID)=4.5A, Drain to Source Voltage (Vdss)=60V, Input Capacitance=646pF, LCSC Part#=C552991, Max Operating Temperature=150°C, Max Power Dissipation=6.25mW, Min Operating Temperature=-55°C, Mount="Surface Mount", Packaging="Tape and Reel", Rds On Max=60mR, RoHS=Yes
Q3: library part CMP-006-0007-3, "IC GATE DRVR IGBT/MOSFET SOT23-6", LCSC Part#=C156293
Q4: library part CMP-ROOT-00044-5, "Trans Mosfet P-ch 20V 15A 8-PIN Hsmt Ep T/r", Case/Package=8-PowerVDFN, LCSC Part#=C266247, Mount="Surface Mount", RoHS=Yes
Q5: library part CMP-ROOT-00035-4, "Trans MOSFET N-CH Si 60V 0.17A 3-Pin USM T/R", Case/Package=SMD/SMT, Continuous Drain Current (ID)=170mA, Drain to Source Voltage (Vdss)=60V, Input Capacitance=17pF, LCSC Part#=C396059, Max Operating Temperature=150°C, Max Power Dissipation=150mW, Min Operating Temperature=-55°C, Mount="Surface Mount", Packaging="Tape and Reel", Rds On Max=3.0ohm, RoHS=Yes
Q6: library part CMP-ROOT-00043-2, "MOSFET N-Channel Enhancement Mode 40V 8-Pin SOP", Case/Package=8-PowerVDFN, LCSC Part#=-, Mount=SMD, RoHS=Yes
R1 R2 R3 R4 R5 R6: library part CMP-001-0027-2, "Res General Purpose Thick Film 0402 100 Ohm 1% 1/16W ±100ppm/°C Molded SMD Paper T/R", Case Code (Imperial)=0402, Case Code (Metric)=1005, LCSC Part#=C106232, Max Operating Temperature=155°C, Max Power Dissipation=63mW, Min Operating Temperature=-55°C, Power Rating=62.5mW, Resistance=100, Temperature Coefficient=100ppm/°C, Tolerance=1%, Voltage Rating=50V, Case/Package=0402, Composition="Thick Film", Depth=0.5mm, Features="Moisture Resistant", Height=0.32mm, Lead Free="Lead Free", Length=1mm, Military Standard=Not, Mount=SMD, Number of Pins=2, Number of Terminations=2, Packaging="Tape and Reel", REACH SVHC="No SVHC", RoHS=Yes, Termination=SMD/SMT, Voltage Rating (DC)=50V, Width=0.5mm, Working Voltage=50V
R7 R17 R19 R21 R24 R27 R38 R46 R47 R48 R49 R50 R51 R52 R58 R60 R61 R63 R65 R70 R72 R75: library part CMP-008-0005-11, "Surface Mount Thick Film Resistor, Rc Series, 10 Kohm, 62.5 Mw, - 1%, 50 V, 0402 [1005 Metric]", Case Code (Imperial)=0402, Case Code (Metric)=1005, LCSC Part#=C60490, Max Operating Temperature=155°C, Min Operating Temperature=-55°C, Power Rating=62.5mW, Resistance=10k, Temperature Coefficient=100ppm/°C, Tolerance=1%, Voltage Rating=50V, Case/Package=0402, Composition="Thick Film", Depth=0.5mm, Height=0.32mm, Lead Free="Lead Free", Lead Pitch=0.2mm, Length=1mm, Military Standard=Not, Mount=SMD, Number of Pins=2, Number of Terminations=2, Packaging="Tape and Reel", REACH SVHC="No SVHC", RoHS=Yes, Termination=SMD/SMT, Voltage Rating (DC)=50V, Width=0.5mm, Working Voltage=50V